# Altium PCB spin5v1_simple.PcbDoc (part 17 of 25) (continued)
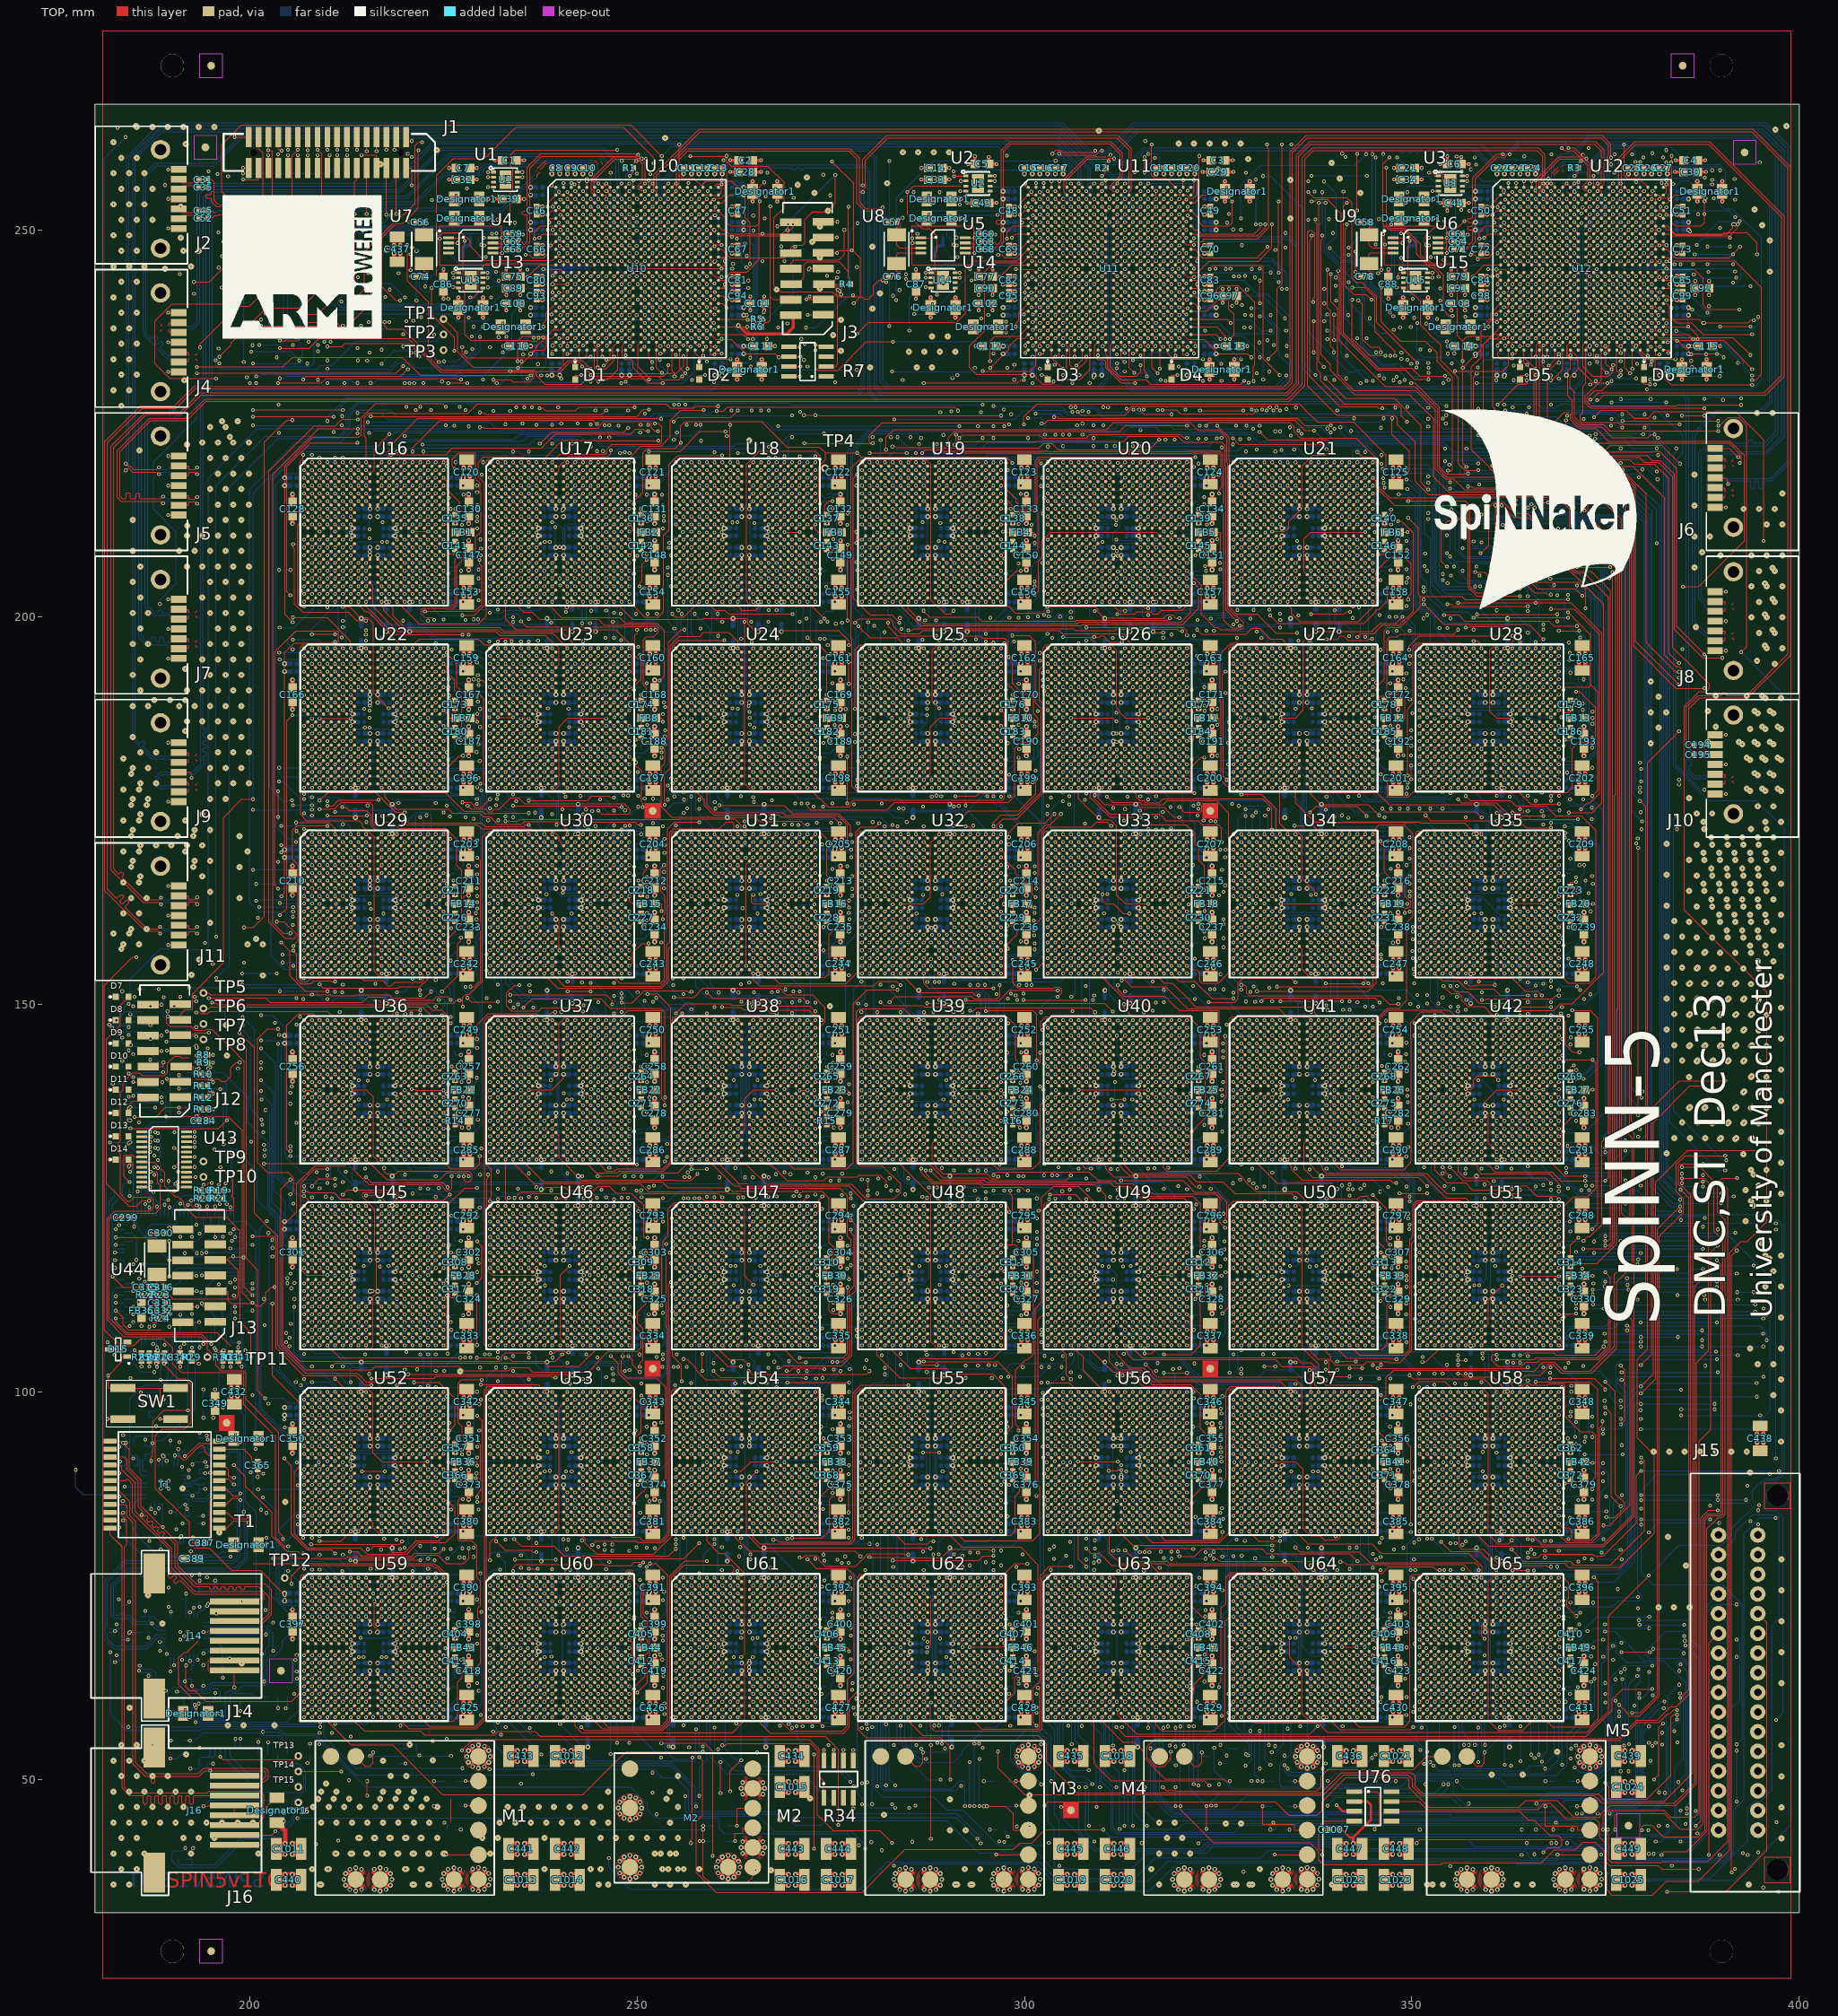
[diagram p0: TOP view]
## Nets (pads, with @x,y where several pads share a name; then routed paths per layer and width w, separated by ;. In a path a pad name is that pad's centre, name@x,y a point inside that pad or via, vN(x,y) a via of type N, cw(c..) or ccw(c..) an arc to the next point about the centre after c; other vN are vias at no path point) (continued)
S48_L1<1>: U11.R11 U28.V14
  other v1: 365,178 310,241
S48_L1<2>: U11.T10 U28.U14
  other v1: 365,179 309,240
S48_L1<3>: U11.T11 U28.T14 | length 78.6
  BOTTOM w0.127: v1(307.499,226.641) 307.803,226.945 308.984,226.945 310.152,225.777 341.682,225.777 342.012,226.107 350.66,226.107 v1(352.143,224.624) ; v1(308.931,230.962) 309.362,230.962 309.785,231.385 310.439,231.385 310.566,231.512 310.566,233.513 309.568,234.511 309.568,239.568 v1(310,240) ; v1(351,187.069) 350.569,186.638 350.569,183.812 350.95,183.431 363.2,183.431 363.518,183.113 363.518,179.873 363.822,179.569 364.178,179.569 364.609,180 v1(365,180)
  other v1: 351.553,203.288
S48_L1<4>: U11.U9 U28.R14 | length 36.7
  BOTTOM w0.127: v1(338.456,254.865) 338.456,251.1 338.025,250.669 338.025,239.527 339.867,237.685 339.912,237.685 341.627,235.97 v1(341.627,233.761) ; v1(356,186.931) 356.431,186.5 356.431,185.947 356.812,185.566 364.05,185.566 364.431,185.185 364.431,181.569 v1(365,181)
  other v1: 308,239
S48_L1<5>: U11.U10 U28.V15
  other v1: 366,178 309,239
S48_L1<6>: U11.V9 U28.U15
  other v1: 366,179 349.527,205.086 308,238
S48_L1<7>: U11.W9 U28.T15 | length 53.7
  BOTTOM w0.127: v1(311.951,232.761) 312.354,232.358 312.354,231.514 314.069,229.799 332.376,229.799 v1(333.807,231.23) ; v1(333.807,226.899) 334.46,226.246 341.282,226.246 341.397,226.361 352.087,226.361 354.078,224.37 v1(362.242,224.37)
  other v1: 366,180 361.636,208.471 308,237
S48_L1<8>: U11.W10 U28.R13 | length 51
  BOTTOM w0.127: v1(310.808,227.121) 311.266,227.579 353.784,227.579 354.069,227.294 v1(354.5,227.294) ; v1(364,181) 364.569,180.431 366.232,180.431 366.431,180.232 366.431,179.95 366.812,179.569 369.256,179.569 369.624,179.937 v1(370.055,179.937)
  other v1: 356.741,211.191 309,237
S48_L1<9>: U11.Y9 U28.V12
  other v1: 363,178 363.042,227.115 308,236 353.675,242.465
S48_L1<10>: U11.Y10 U28.U12 | length 46
  TOP w0.127: v1(357,198.68) 357.431,198.68 357.589,198.838 362.415,198.838 363.431,197.822 363.431,197.257 362.605,196.431 360.808,196.431 360.109,195.732 360.109,187.885 360.998,186.996 362.504,186.996 362.569,186.931 v1(363,186.931)
  BOTTOM w0.127: v1(348.327,215.867) 349.338,215.867 350.481,214.724 350.481,201.758 351.243,200.996 352.431,200.996 353.193,200.234 353.193,200.181 354.336,199.038 356.211,199.038 356.569,198.68 v1(357,198.68)
  other v1: 363,179 315,224.167 328.662,224.721 309,236
S48_L1<11>: U11.AA8 U28.T12
  other v1: 363,180 361.108,223.508 332.394,223.995 307.099,235.066
S48_L1<12>: U11.AA10 U28.R12 | length 12.5
  TOP w0.127: v1(317.833,226.767) 319.682,226.767 320.195,226.254 329.539,226.254 v1(329.97,226.685)
  other v1: 363,181 361.235,217.131 314.297,230.23
S48_L1<13>: U11.AB8 U28.V13
  other v1: 365,176.945 364,178 365,207.64 347.237,208.897 306.699,232.468
S48_L1<14>: U11.AB9 U28.U13 | length 55.5
  TOP w0.127: v1(358,199.942) v1(370.2,199.942)
  BOTTOM w0.127: v1(349.326,217.77) 349.782,217.77 351.243,216.309 351.243,205.21 351.994,204.459 351.994,202.774 353.01,201.758 353.066,201.758 353.701,201.123 353.701,201.116 354.098,200.719 357.223,200.719 v1(358,199.942) ; v1(364,179) 364.432,178.568 364.432,174.949 365.512,173.869 370.803,173.869 371.184,173.488 373.497,173.488 373.696,173.687 373.696,175.643 373.442,175.897 371.055,175.897 v1(370.455,176.497)
  other v1: 346.042,224.466 305,230.661
S48_L1<15>: U11.AB10 U28.T13
  other v1: 364,180 361.121,225.422 309.5,233.826 340.203,242.8 361.094,243 327.039,243.998
S48_L2<0>: U11.T8 U28.R16
  other v1: 367,181 361.918,206.524 366.351,206.524 360.935,230.602 307,240 308.931,244.931 326.002,244.964
S48_L2<1>: U11.U8 U28.N15
  other v1: 366,183 307,239 358.131,243.065 346.091,244.842
S48_L2<2>: U11.W8 U28.N16 | length 41.2
  BOTTOM w0.127: v1(333.001,223.995) 334.137,222.859 336.884,222.859 336.955,222.788 336.955,222.777 337.352,222.38 353.726,222.38 v1(354.336,221.77) ; v1(355.142,213.069) 355.651,212.56 355.651,208.794 356.858,207.587 363.603,207.587 364.087,208.071 366.947,208.071 367.633,207.385 368.132,207.385 368.331,207.584 368.331,207.745 368.402,207.816 v1(368.85,207.816)
  other v1: 367,183 307.499,224.993 307,237
S48_L2<3>: U11.Y3 U28.N17 | length 59.7
  BOTTOM w0.127: v1(301.433,226.286) 304.599,226.286 305.403,225.482 341.874,225.482 342.111,225.245 345.94,225.245 v1(346.371,225.676) ; v1(354.966,207.841) 355.598,207.209 366.997,207.209 367.075,207.131 368.722,207.131 v1(368.8,207.209)
  other v1: 368,183 302,236
S48_L2<4>: U11.Y5 U28.N18
  other v1: 369,183 371.374,210.256 354.537,210.591 348.668,233.361 332.202,235.161 304,236
S48_L2<5>: U11.Y6 U28.P16 | length 31
  BOTTOM w0.127: v1(306.607,227.122) 307.038,227.122 307.115,227.199 309.134,227.199 309.85,226.483 313.432,226.483 313.631,226.682 313.631,226.991 313.885,227.245 328.922,227.245 v1(329.363,226.804) ; v1(367,182) 367.432,181.568 367.432,180.95 367.813,180.569 v1(373.317,180.569)
  other v1: 352.143,213.469 352.142,227.046 305,236
S48_L2<6>: U11.Y7 U28.P17 | length 60.5
  BOTTOM w0.127: v1(354.336,220.134) 354.336,219.703 354.105,219.472 354.105,208.035 355.185,206.955 355.709,206.955 356.154,206.51 356.154,205.783 357.234,204.703 365.619,204.703 366.016,204.306 366.016,204.3 366.905,203.411 372.07,203.411 373.15,202.331 373.15,191.153 372.911,190.914 372.911,185.666 373.748,184.829 373.748,182.841 372.351,181.444 368.556,181.444 v1(368,182)
  other v1: 325.072,218.34 310.6,222.093 323.065,230.515 306,236
S48_L2<7>: U11.Y8 U28.P18 | length 34.7
  BOTTOM w0.127: v1(314.804,222.101) 323.826,222.101 v1(324.841,223.116) ; v1(346.284,219.178) 346.801,219.695 346.801,219.739 347.627,220.565 369.16,220.565 369.369,220.356 v1(369.8,220.356)
  other v1: 369,182 307,236
S48_L2<8>: U11.AA1 U28.V18 | length 50.3
  TOP w0.127: v1(347.485,225.676) 347.485,223.592 349.696,221.381 349.696,218.974 v1(349.316,218.594)
  BOTTOM w0.127: v1(349.316,218.594) 352.368,218.594 352.94,218.022 352.94,204.489 354.401,203.028 357.66,203.028 358.393,202.295 361.557,202.295 365.431,198.421 365.431,195.95 365.812,195.569 369.178,195.569 369.609,196 370.362,196 v1(371.754,197.392)
  other v1: 369,178 373.317,179.479 300.099,235.066
S48_L2<9>: U11.AA2 U28.R17
  other v1: 368,181 369.734,185.4 370.4,195.431 328.6,221.4 301.099,235.067
S48_L2<10>: U11.AA4 U28.R18 | length 106.6
  BOTTOM w0.127: v1(302.633,223.567) 303.064,223.567 303.494,223.137 307.739,223.137 308.184,223.582 308.184,223.621 308.383,223.82 312.806,223.82 313.024,223.602 329.186,223.602 330.183,222.605 336.304,222.605 336.701,222.208 336.701,222.197 336.772,222.126 344.288,222.126 345.685,220.729 345.685,219.144 346.082,218.747 346.61,218.747 347.055,219.192 347.055,219.421 347.373,219.739 352.015,219.739 353.603,218.151 353.603,204.599 354.238,203.964 v1(358.2,203.964) ; v1(367.9,204.997) 371.245,204.997 373.912,202.33 373.912,193.884 374.027,193.769 374.027,182.715 372.312,181 v1(369,181)
  other v1: 303,235
S48_L2<11>: U11.AA6 U28.T16
  other v1: 367,180 366,205.681 355.469,206.524 308,233.625 324.68,245
S48_L2<12>: U11.AB4 U28.T17 | length 4.9
  TOP w0.127: v1(370.942,209.217) v1(370.942,214.161)
  other v1: 368,180 330,221.666 305,232.069
S48_L2<13>: U11.AB5 U28.T18 | length 41
  BOTTOM w0.127: v1(312.067,219) 312.067,218.32 312.956,217.431 315.232,217.431 315.431,217.232 315.431,213.939 315.939,213.431 319.232,213.431 319.431,213.232 319.431,211.909 320.574,210.766 323.013,210.766 323.267,210.512 v1(323.267,209.242) ; v1(355.072,205.395) 356.018,204.449 364.301,204.449 365.508,203.242 365.508,203.157 366.431,202.234 366.431,197.113 366.812,196.732 v1(370.3,196.732)
  other v1: 369,180 306.8,224.797 305,233.625
S48_L2<14>: U11.AB6 U28.U17 | length 29.2
  TOP w0.127: v1(343,221.339) 343.653,220.686 344.923,220.686 345.431,220.178 345.431,219.628 345.685,219.374 345.685,216.897 347.146,215.436 353.469,215.436 353.589,215.556 366.034,215.556 366.783,214.807 v1(367.599,214.807)
  other v1: 368,179 342.563,225.676 305,231.268
S48_L2<15>: U11.AB7 U28.U18 | length 29.8
  TOP w0.127: v1(306.892,226.514) 307.323,226.083 312.996,226.083 313.631,226.718 313.631,226.991 313.885,227.245 331.154,227.245 331.28,227.119 v1(331.711,227.119)
  BOTTOM w0.127: v1(365,222.992) 365.431,222.992 365.615,222.808 367.887,222.808 368.284,223.205 368.284,223.238 368.384,223.338 v1(368.823,223.338)
  other v1: 369,179 372.099,188.043 306.5,233.625
SCL2: R7.2 R18.2 R34.2 U69.49 | length 46.7
  TOP w0.127: v1(256.865,259.523) 261.248,259.523 261.566,259.205 261.566,258.813 262.138,258.241 266.87,258.241 268.966,256.145 268.966,252.849 267.666,251.549 267.666,242.811 268.467,242.01 275.212,242.01 275.889,241.333 275.889,232.668 275.591,232.37 R7.2@274.4,232.37
  other v1: 191.6,117.902 197,124.247 193.129,125.092
SDA2: R7.1 R20.2 R34.1 U69.48 | length 220.1
  TOP w0.127: v1(199.223,159.951) 200.429,159.951 201.89,161.412 201.89,222.597 204.748,225.455 v1(205.471,225.455) ; v1(221,221.4) 221,221.875 224.556,225.431 244.319,225.431 v1(244.8,224.95) ; v1(227.368,53.72) 228.786,55.138 272.257,55.138 273.527,53.868 273.527,50.348 274.1,49.775 R34.1@274.1,47.6
  BOTTOM w0.127: 192.893,124.273 193.298,124.678 197.408,124.678 197.662,124.932 ; v1(197.635,130.886) 197.635,130.455 197.662,130.428 197.662,126.179 197.663,126.178 197.663,125.822 197.662,125.821 197.662,124.932 ; v1(200.748,92.63) 200.748,120.679 199.414,122.013 197.931,122.013 197.931,124.663 197.662,124.932 ; v1(244.8,224.95) 245.305,225.455 252.161,225.455 252.76,226.054 v1(270,226.054)
  other v1: 193.129,124.092
SENSE12A: M1.6 R14.2 R192.1
  other v1: 225.333,40.261 223.761,49.75 227.408,134.129
  other v3: 225.019,40.401 225.175,40.401
SENSE12B: M3.6 R15.2 R191.1
  other v1: 296.333,40.261 294.761,49.75 275.408,134.129
SENSE12C: M5.6 R17.2 R189.1 | length 280.6
  BOTTOM w0.127: v1(301.581,61) 302.012,60.569 302.012,56.015 303.034,54.993 303.034,44.481 303.843,43.672 303.843,38.849 304.288,38.404 313.82,38.404 315.924,40.508 323.527,40.508 324.373,41.354 339.352,41.354 341.001,39.705 363.902,39.705 364.072,39.535 368.891,39.535 369.061,39.705 375.388,39.705 375.811,39.282 390.239,39.282 391.573,40.616 391.573,46.026 392.919,47.372 392.919,81.696 394.951,83.728 v1(396.997,83.728) ; v1(304.76,46.398) 304.76,45.114 309.078,40.796 323.101,40.796 323.922,41.617 339.819,41.617 340.64,40.796 364.671,40.796 364.995,40.472 364.995,40.148 365.354,39.789 368.759,39.789 369.766,40.796 375.213,40.796 376.473,39.536 390.112,39.536 391.319,40.743 391.319,59.163 392.411,60.255 392.411,67.589 v1(391.98,68.02)
  other v1: 368.833,40.261 367.261,49.75 347.408,134.129
  other v3: 317.4,40.401 319.4,40.401 321.4,40.401
SENSE18: M4.6 R16.2 R190.1
  other v1: 332.333,40.261 330.761,49.75 299.408,134.129
SENSE33: M2.5 R29.2 R197.1 | length 53
  BOTTOM w0.127: v1(206.146,44.979) 243.487,44.979 244.966,43.5 v1(258.5,43.5)
  other v1: 258.511,44 193.408,103.629
  other v3: 265.288,38.27 244.267,44.401
SENSE_MINUS12A: M1.7 R196.1 R201.1 | length 2.9
  TOP w0.127: 225.989,44.548 225.989,47.417
  other v1: 225.129,44.408 223.761,46.5
  other v3: 230.019,42.401 224.175,46.401
SENSE_MINUS12B: M3.7 R195.1 R200.1 | length 8.8
  TOP w0.127: v1(295.158,46.5) 297.577,46.5 298.584,45.493 298.584,43.43 M3.7@300.515,43.43
  BOTTOM w0.127: v1(295.158,46.5) R195.1@296.1,46.5
  other v1: 297.871,42.592 294.761,46.5
  other v3: 300.666,43.917
SENSE_MINUS12C: M5.7 R193.1 R198.1 | length 11.3
  TOP w0.127: v1(367.254,46.5) 367.254,43.931 368.268,43.931 ; v1(368.268,43.5) 368.268,43.931 ; M5.7@373.015,43.43 371.417,43.43 371.417,43.931 368.268,43.931
  BOTTOM w0.127: v1(367.254,46.5) R193.1@368.6,46.5 ; v1(368.268,43.5) 368.97,43.5
  other v1: 368.629,44.408 367.261,46.5
SENSE_MINUS18: M4.7 R194.1 R199.1 | length 11.5
  TOP w0.127: v1(330.763,46.5) 330.763,44.185 331.768,44.185 ; v1(331.768,43.5) 331.768,44.185 ; M4.7@336.515,43.43 334.917,43.43 334.917,44.185 331.768,44.185
  BOTTOM w0.127: v1(330.763,46.5) R194.1@332.1,46.5 ; v1(331.768,43.5) 332.47,43.5
  other v1: 332.129,44.408 330.761,46.5
SO_AMINUS: C127.1 J5.3 | length 8.3
  TOP w0.062: J5.3@190.81,215.73 191.963,215.73 192.088,215.605 192.088,215.382 192.146,215.324 ; 192.975,215.324 v1(193.18,215.529)
  TOP w0.125: J5.3@190.81,215.73 191.963,215.73 192.088,215.605 192.088,215.382 192.213,215.257 192.908,215.257 v1(193.18,215.529)
  BOTTOM w0.062: 191.34,215.73 191.838,215.73 191.963,215.605 191.963,215.382 192.021,215.324 ; 192.975,215.324 v1(193.18,215.529)
  BOTTOM w0.125: 191.34,215.73 191.838,215.73 191.963,215.605 191.963,215.382 192.088,215.257 192.908,215.257 v1(193.18,215.529)
SO_AMINUS_1: C45.1 J2.3 | length 3
  TOP w0.125: J2.3@190.81,252.73 191.281,252.259 192.731,252.259 192.972,252.5 C45.1@193.47,252.5
  other v3: 191.065,252.986
SO_AMINUS_2: C494.1 J6.3 | length 1.6
  TOP w0.062: J6.3@389.19,219.27 390.343,219.27 390.468,219.395 390.468,219.617 390.526,219.675
SR_MISO: R203.1 U69.61
  other v1: 192.658,41.121 189.598,114.892
SR_MOSI: U69.60 U75.6 U77.5 | length 36.3
  BOTTOM w0.127: v1(185.682,64.023) 185.912,63.793 187.059,63.793 187.312,63.54 187.312,60.409 189.677,58.044 193.285,58.044 193.707,57.622 197.11,57.622 197.47,57.982 U75.6@197.47,59.95 197.47,60.891 197.662,61.083 200.176,61.083 200.599,60.66 U77.5@201.09,60.66 ; v1(186.105,116.5) U69.60@199.2,116.5
SR_NCS: U69.63 U75.4 U77.1 | length 25.7
  BOTTOM w0.127: v1(189.748,52.67) 190.606,52.67 193.955,56.019 201.17,56.019 201.509,55.68 203.751,55.68 204.9,54.531 U77.1@204.9,53.34 ; v1(190.581,61.317) 191.22,61.317 191.425,61.112 194.66,61.112 195.203,61.655 195.8,61.655 196.17,61.285 U75.4@196.17,59.95
  other v1: 193.724,112.831
SR_SCK: U69.62 U75.5 U77.6 | length 40.5
  BOTTOM w0.127: v1(185.717,114.637) 185.717,114.203 186.114,113.806 190.452,113.806 192.146,115.5 U69.62@199.2,115.5 ; v1(185.763,64.667) 186.197,64.233 ; 186.197,64.232 187.269,64.232 187.852,63.649 187.852,60.493 189.414,58.931 192.758,58.931 193.813,57.876 196.489,57.876 196.82,58.207 U75.5@196.82,59.95 196.82,61.02 197.2,61.4 198.447,61.4 199.109,62.062 201.258,62.062 201.581,61.739 201.581,60.948 201.869,60.66 U77.6@202.36,60.66
SROM<2>: U63.L16
  other v1: 319,65
SROM<2>_48: U62.L16
  other v1: 295,65
SROM<2>_49: U61.L16
  other v1: 271,65
SROM<2>_50: U60.L16
  other v1: 247,65
SROM<2>_51: U28.L16
  other v1: 367,185
SROM<2>_52: U21.L16
  other v1: 343,209
SROM<2>_53: U19.L16
  other v1: 295,209
SROM<2>_54: U18.L16
  other v1: 271,209
SROM<2>_55: U17.L16
  other v1: 247,209
SROM<2>_56: U25.L16
  other v1: 295,185
SROM<2>_57: U20.L16
  other v1: 319,209
SROM<2>_58: U27.L16
  other v1: 343,185
SROM<2>_59: U35.L16
  other v1: 367,161
SROM<2>_60: U42.L16
  other v1: 367,137
SROM<2>_61: U34.L16
  other v1: 343,161
SROM<2>_62: U26.L16
  other v1: 319,185
SROM<2>_63: U24.L16
  other v1: 271,185
SROM<2>_64: U23.L16
  other v1: 247,185
SROM<2>_65: U16.L16
  other v1: 223,209
SROM<2>_66: U51.L16
  other v1: 367,113
SROM<2>_67: U41.L16
  other v1: 343,137
SROM<2>_68: U33.L16
  other v1: 319,161
SROM<2>_69: U32.L16
  other v1: 295,161
SROM<2>_70: U31.L16
  other v1: 271,161
SROM<2>_71: U30.L16
  other v1: 247,161
SROM<2>_72: U22.L16
  other v1: 223,185
SROM<2>_73: U58.L16
  other v1: 367,89
SROM<2>_74: U50.L16
  other v1: 343,113
SROM<2>_75: U40.L16
  other v1: 319,137
SROM<2>_76: U39.L16
  other v1: 295,137
SROM<2>_77: U38.L16
  other v1: 271,137
SROM<2>_78: U37.L16
  other v1: 247,137
SROM<2>_79: U36.L16
  other v1: 223,137
SROM<2>_80: U29.L16
  other v1: 223,161
SROM<2>_81: U65.L16
  other v1: 367,65
SROM<2>_82: U57.L16
  other v1: 343,89
SROM<2>_83: U49.L16
  other v1: 319,113
SROM<2>_84: U48.L16
  other v1: 295,113
SROM<2>_85: U47.L16
  other v1: 271,113
SROM<2>_86: U46.L16
  other v1: 247,113
SROM<2>_87: U45.L16
  other v1: 223,113
SROM<2>_88: U64.L16
  other v1: 343,65
SROM<2>_89: U56.L16
  other v1: 319,89
SROM<2>_90: U55.L16
  other v1: 295,89
SROM<2>_91: U54.L16
  other v1: 271,89
SROM<2>_92: U53.L16
  other v1: 247,89
SROM<2>_93: U52.L16
  other v1: 223,89
SROM<2>_94: R204.1 TP16.1 U59.L16 | length 23.2
  BOTTOM w0.127: 190.75,40.78 190.199,40.78 189.945,40.526 189.945,39.512 190.828,38.629 195.696,38.629 199.377,42.31 203.566,42.31 205.715,44.459 205.715,46.465 TP16.1@206.25,47
  other v1: 191.658,41.121 223,65
SROM<3>: U63.L15
  other v1: 318,65
SROM<3>_48: U62.L15
  other v1: 294,65
SROM<3>_49: U61.L15
  other v1: 270,65
SROM<3>_50: U60.L15
  other v1: 246,65
SROM<3>_51: U28.L15
  other v1: 366,185
SROM<3>_52: U21.L15
  other v1: 342,209
SROM<3>_53: U19.L15
  other v1: 294,209
SROM<3>_54: U18.L15
  other v1: 270,209
SROM<3>_55: U17.L15
  other v1: 246,209
SROM<3>_56: U25.L15
  other v1: 294,185
SROM<3>_57: U20.L15
  other v1: 318,209
SROM<3>_58: U27.L15
  other v1: 342,185
SROM<3>_59: U35.L15
  other v1: 366,161
SROM<3>_60: U42.L15
  other v1: 366,137
SROM<3>_61: U34.L15
  other v1: 342,161
SROM<3>_62: U26.L15
  other v1: 318,185
SROM<3>_63: U24.L15
  other v1: 270,185
SROM<3>_64: U23.L15
  other v1: 246,185
SROM<3>_65: U16.L15
  other v1: 222,209
SROM<3>_66: U51.L15
  other v1: 366,113
SROM<3>_67: U41.L15
  other v1: 342,137
SROM<3>_68: U33.L15
  other v1: 318,161
SROM<3>_69: U32.L15
  other v1: 294,161
SROM<3>_70: U31.L15
  other v1: 270,161
SROM<3>_71: U30.L15
  other v1: 246,161
SROM<3>_72: U22.L15
  other v1: 222,185
SROM<3>_73: U58.L15
  other v1: 366,89
SROM<3>_74: U50.L15
  other v1: 342,113
SROM<3>_75: U40.L15
  other v1: 318,137
SROM<3>_76: U39.L15
  other v1: 294,137
SROM<3>_77: U38.L15
  other v1: 270,137
SROM<3>_78: U37.L15
  other v1: 246,137
SROM<3>_79: U36.L15
  other v1: 222,137
SROM<3>_80: U29.L15
  other v1: 222,161
SROM<3>_81: U65.L15
  other v1: 366,65
SROM<3>_82: U57.L15
  other v1: 342,89
SROM<3>_83: U49.L15
  other v1: 318,113
SROM<3>_84: U48.L15
  other v1: 294,113
SROM<3>_85: U47.L15
  other v1: 270,113
SROM<3>_86: U46.L15
  other v1: 246,113
SROM<3>_87: U45.L15
  other v1: 222,113
SROM<3>_88: U64.L15
  other v1: 342,65
SROM<3>_89: U56.L15
  other v1: 318,89
SROM<3>_90: U55.L15
  other v1: 294,89
SROM<3>_91: U54.L15
  other v1: 270,89
SROM<3>_92: U53.L15
  other v1: 246,89
SROM<3>_93: U52.L15
  other v1: 222,89
SROM<3>_94: TP15.1 U59.L15 U75.11 | length 11.5
  BOTTOM w0.127: U75.11@197.47,54.05 197.47,52.968 200.049,50.389 204.861,50.389 TP15.1@206.25,49
  other v1: 222,65
SROM<4>: U63.K18
  other v1: 321,66
SROM<4>_48: U62.K18
  other v1: 297,66
SROM<4>_49: U61.K18
  other v1: 273,66
SROM<4>_50: U60.K18
  other v1: 249,66
SROM<4>_51: U28.K18
  other v1: 369,186
SROM<4>_52: U21.K18
  other v1: 345,210
SROM<4>_53: U19.K18
  other v1: 297,210
SROM<4>_54: U18.K18
  other v1: 273,210
SROM<4>_55: U17.K18
  other v1: 249,210
SROM<4>_56: U25.K18
  other v1: 297,186
SROM<4>_57: U20.K18
  other v1: 321,210
SROM<4>_58: U27.K18
  other v1: 345,186
SROM<4>_59: U35.K18
  other v1: 369,162
SROM<4>_60: U42.K18
  other v1: 369,138
SROM<4>_61: U34.K18
  other v1: 345,162
SROM<4>_62: U26.K18
  other v1: 321,186
SROM<4>_63: U24.K18
  other v1: 273,186
SROM<4>_64: U23.K18
  other v1: 249,186
SROM<4>_65: U16.K18
  other v1: 225,210
SROM<4>_66: U51.K18
  other v1: 369,114
SROM<4>_67: U41.K18
  other v1: 345,138
SROM<4>_68: U33.K18
  other v1: 321,162
SROM<4>_69: U32.K18
  other v1: 297,162
SROM<4>_70: U31.K18
  other v1: 273,162
SROM<4>_71: U30.K18
  other v1: 249,162
SROM<4>_72: U22.K18
  other v1: 225,186
SROM<4>_73: U58.K18
  other v1: 369,90
SROM<4>_74: U50.K18
  other v1: 345,114
SROM<4>_75: U40.K18
  other v1: 321,138
SROM<4>_76: U39.K18
  other v1: 297,138
SROM<4>_77: U38.K18
  other v1: 273,138
SROM<4>_78: U37.K18
  other v1: 249,138
SROM<4>_79: U36.K18
  other v1: 225,138
SROM<4>_80: U29.K18
  other v1: 225,162
SROM<4>_81: U65.K18
  other v1: 369,66
SROM<4>_82: U57.K18
  other v1: 345,90
SROM<4>_83: U49.K18
  other v1: 321,114
SROM<4>_84: U48.K18
  other v1: 297,114
SROM<4>_85: U47.K18
  other v1: 273,114
SROM<4>_86: U46.K18
  other v1: 249,114
SROM<4>_87: U45.K18
  other v1: 225,114
SROM<4>_88: U64.K18
  other v1: 345,66
SROM<4>_89: U56.K18
  other v1: 321,90
SROM<4>_90: U55.K18
  other v1: 297,90
SROM<4>_91: U54.K18
  other v1: 273,90
SROM<4>_92: U53.K18
  other v1: 249,90
SROM<4>_93: U52.K18
  other v1: 225,90
SROM<4>_94: TP14.1 U59.K18 U75.12 | length 21.6
  TOP w0.127: TP14.1@206.25,51 v1(211.8,51)
  BOTTOM w0.127: U75.12@196.82,54.05 196.82,52.654 201.165,48.309 206.536,48.309 206.941,48.714 206.941,50.309 TP14.1@206.25,51
  other v1: 225,66
SROM<5>: U63.K17
  other v1: 320,66
SROM<5>_48: U62.K17
  other v1: 296,66
SROM<5>_49: U61.K17
  other v1: 272,66
SROM<5>_50: U60.K17
  other v1: 248,66
SROM<5>_51: U28.K17
  other v1: 368,186
SROM<5>_52: U21.K17
  other v1: 344,210
SROM<5>_53: U19.K17
  other v1: 296,210
SROM<5>_54: U18.K17
  other v1: 272,210
SROM<5>_55: U17.K17
  other v1: 248,210
SROM<5>_56: U25.K17
  other v1: 296,186
SROM<5>_57: U20.K17
  other v1: 320,210
SROM<5>_58: U27.K17
  other v1: 344,186
SROM<5>_59: U35.K17
  other v1: 368,162
SROM<5>_60: U42.K17
  other v1: 368,138
SROM<5>_61: U34.K17
  other v1: 344,162
SROM<5>_62: U26.K17
  other v1: 320,186
SROM<5>_63: U24.K17
  other v1: 272,186
SROM<5>_64: U23.K17
  other v1: 248,186
SROM<5>_65: U16.K17
  other v1: 224,210
SROM<5>_66: U51.K17
  other v1: 368,114
SROM<5>_67: U41.K17
  other v1: 344,138
SROM<5>_68: U33.K17
  other v1: 320,162
SROM<5>_69: U32.K17
  other v1: 296,162
SROM<5>_70: U31.K17
  other v1: 272,162
SROM<5>_71: U30.K17
  other v1: 248,162
SROM<5>_72: U22.K17
  other v1: 224,186
SROM<5>_73: U58.K17
  other v1: 368,90
SROM<5>_74: U50.K17
  other v1: 344,114
SROM<5>_75: U40.K17
  other v1: 320,138
SROM<5>_76: U39.K17
  other v1: 296,138
SROM<5>_77: U38.K17
  other v1: 272,138
SROM<5>_78: U37.K17
  other v1: 248,138
SROM<5>_79: U36.K17
  other v1: 224,138
SROM<5>_80: U29.K17
  other v1: 224,162
SROM<5>_81: U65.K17
  other v1: 368,66
SROM<5>_82: U57.K17
  other v1: 344,90
SROM<5>_83: U49.K17
  other v1: 320,114
SROM<5>_84: U48.K17
  other v1: 296,114
SROM<5>_85: U47.K17
  other v1: 272,114
SROM<5>_86: U46.K17
  other v1: 248,114
SROM<5>_87: U45.K17
  other v1: 224,114
SROM<5>_88: U64.K17
  other v1: 344,66
SROM<5>_89: U56.K17
  other v1: 320,90
SROM<5>_90: U55.K17
  other v1: 296,90
SROM<5>_91: U54.K17
  other v1: 272,90
SROM<5>_92: U53.K17
  other v1: 248,90
SROM<5>_93: U52.K17
  other v1: 224,90
SROM<5>_94: TP13.1 U59.K17 U75.13 | length 11.6
  TOP w0.127: v1(196.168,52.913) 196.57,52.511 205.761,52.511 TP13.1@206.25,53
  BOTTOM w0.127: v1(196.168,52.913) 196.17,52.915 U75.13@196.17,54.05
  other v1: 224,66
TCK: J13.9 R23.1 U69.5 | length 16.7
  TOP w0.127: R23.1@189.03,112.5 189.566,112.5 190.066,112 198.117,112 198.514,112.397 198.514,115.643 197.117,117.04 J13.9@195.52,117.04
  other v1: 184.917,111
TCK_2: J3.6 R4.1 U10.A21 U11.A21 U12.A21 | length 21.1
  TOP w0.127: J3.6@269.875,243 270.75,243 271.53,243.78 271.53,245.469 271.946,245.885 276.04,245.885 277.283,244.642 ; v1(277.283,252.992) 277.283,244.642 ; R4.1@277.53,243 277.53,243.583 277.283,243.83 277.283,244.642 ; U11.A21@320.5,255.5 v1(320.5,256.434)
TCK_3: J12.9 U16.C18 U17.C18 U18.C18 U19.C18 U20.C18 U21.C18 U22.C18 U23.C18 U24.C18 U25.C18 U26.C18 U27.C18 U28.C18 U29.C18 U30.C18 U31.C18 U32.C18 U33.C18 U34.C18 U35.C18 U36.C18 U37.C18 U38.C18 U39.C18 U40.C18 U41.C18 U42.C18 U45.C18 U46.C18 U47.C18 U48.C18 U49.C18 U50.C18 U51.C18 U52.C18 U53.C18 U54.C18 U55.C18 U56.C18 U57.C18 U58.C18 U59.C18 U60.C18 U61.C18 U62.C18 U63.C18 U64.C18 U65.C18 | length 311.9
  TOP w0.127: v1(194.691,150.848) 202.055,150.848 202.636,150.267 214.51,150.267 215.232,150.989 217.189,150.989 217.597,150.581 223.69,150.581 224.126,151.017 225.487,151.017 v1(225.918,150.586) ; v1(225,194) 225.431,193.569 225.431,192.858 225.828,192.461 225.876,192.461 226.448,191.889 226.448,190.61 227.242,189.816 227.266,189.816 227.366,189.716 227.366,185.916 227.323,185.873 v1(227.323,185.442) ; v1(225,218) 225.431,217.569 225.431,216.482 225.828,216.085 225.854,216.085 227.061,214.878 227.061,212.676 227.389,212.348 v1(227.389,211.917) ; v1(271.533,226.093) v1(273.029,226.093) 273.46,226.093 273.523,226.03 v1(297,226.03) ; v1(277.167,199.558) v1(277.167,209.37) ; v1(279.8,125.974) v1(279.8,127.351) ; v1(297,170) 297.431,169.569 297.431,168.739 297.939,168.231 297.959,168.231 298.848,167.342 298.848,166.882 299.864,165.866 300.891,165.866 300.991,165.766 300.991,164.319 v1(301.442,163.868) ; v1(297,218) 297.431,217.569 297.431,216.738 298.915,215.254 298.915,214.833 299.614,214.134 300.887,214.134 301.395,214.642 301.395,220.177 301.903,220.685 v1(322.055,220.685) ; v1(334.866,173.093) 337.299,173.093 337.795,172.597 345.177,172.597 ; v1(336.8,197) 337.369,196.431 345.232,196.431 345.431,196.232 345.431,194.431 v1(345,194) ; v1(345,146) 345.431,146.431 345.431,148.085 346.892,149.546 348.379,149.546 349.395,150.562 349.395,160.581 350.186,161.372 350.186,172.073 349.043,173.216 345.796,173.216 345.177,172.597 ; v1(345,170) 345.431,170.431 345.431,172.343 345.177,172.597 ; v1(345,218) 345.431,217.569 345.431,216.786 347.781,214.436 357.077,214.436 357.276,214.237 357.276,203.869 358.419,202.726 v1(364,202.726)
  BOTTOM w0.127: v1(225,146) 225.487,146.487 225.487,150.155 v1(225.918,150.586) 225.918,151.93 224.569,153.279 224.569,170 ; v1(225,170) 224.569,170 ; v1(228.865,173.978) 228.08,173.193 225.522,173.193 224.569,172.24 224.569,170 ; v1(249,194) 249,194.391 249.431,194.822 249.431,205.924 250.003,206.496 250.969,206.496 251.668,207.195 251.668,210.131 250.779,211.02 249.925,211.02 249.445,211.5 248.887,211.5 248.569,211.818 248.569,217.569 v1(249,218) ; v1(273,218) 273.432,217.568 273.432,216.131 274.067,215.496 275.344,215.496 275.741,215.099 275.741,209.688 276.059,209.37 v1(277.167,209.37) ; v1(297,146) 297.431,146.431 297.431,151.208 298.765,152.542 v1(299.331,152.542) ; v1(321,218) 321,218.391 321.431,218.822 321.431,220.061 v1(322.055,220.685) ; v1(335,188.172) 336.085,189.257 336.085,196.285 v1(336.8,197)
  other v1: 225,74 249,74 273,74 297,74 321,74 345,74 369,74 249,76.607 225.926,79.707 373.315,87.42 372.437,94.193 225,98 249,98 273,98 297,98 321,98 345,98 369,98 277.377,100 279.6,104.082 373.072,106.892 347.423,116 254.569,118.57 225,122 249,122 273,122 297,122 321,122 345,122 369,122 249,146 273,146 321,146 369,146 194.691,146.367 323.252,161.015 249,170 273,170 321,170 369,170 273,194 297,194 321,194 369,194 364,196.807 249,208 249,212
TDI: J13.5 R31.2 U69.2 | length 16.6
  TOP w0.127: v1(182.683,109.5) 182.683,109.062 184.08,107.665 195.763,107.665 197.5,105.928
  other v1: 196.592,105.371 203.181,113.52 199.191,117.367
TDI_2: J3.10 R5.2 U12.E18 | length 36.5
  TOP w0.127: J3.10@269.84,247 269.84,247.691 270.203,248.054 271.366,248.054 271.627,248.315 271.627,251.325 272.632,252.33 274.479,252.33 275.585,253.436 v1(275.585,257.1)
  BOTTOM w0.127: 266.75,238.5 270.148,241.898 270.148,251.663 v1(275.585,257.1)
  other v1: 379,252 341.026,259.845
TDI_3: J12.5 U59.C16 | length 39.9
  BOTTOM w0.127: v1(201.062,87.431) 211.182,87.431 211.5,87.113 211.5,84.876 211.945,84.431 224.188,84.431 224.569,84.05 224.569,81.822 224.57,81.821 224.57,78.797 225.523,77.844 226.914,77.844 229.327,75.431 v1(229.327,73.2)
  other v1: 223,74 198.681,142.52
TDO: J13.11 U69.1
  other v1: 184.917,109
TDO_1: J3.8 U11.G17 | length 11.2
  TOP w0.127: J3.8@269.84,245 269.84,245.691 270.288,246.139 276.038,246.139 276.744,246.845 v1(276.744,250)
  other v1: 317,250
TDO_48: J12.11 U18.B18 | length 146
  TOP w0.127: J12.11@191.02,148.04 191.02,148.731 191.638,149.349 192.474,149.349 192.591,149.466 192.591,151.403 196.599,155.411 196.599,174.166 198.941,176.508 v1(200.404,176.508)
  BOTTOM w0.127: v1(200.404,176.508) 200.404,215.989 206.5,222.085 216.685,222.085 217.569,222.969 234.137,222.969 234.761,223.593 243.929,223.593 245.44,222.082 262.566,222.082 262.922,222.438 267.227,222.438 267.862,221.803 v1(267.862,220.607)
  other v1: 273,219
TMS: J13.7 R30.2 U69.3
  other v1: 195.592,105.371 195.43,105.678 184.917,110 193.778,115.04
TMS_2: J3.4 R6.2 U10.D20 U11.D20 U12.D20 | length 19
  TOP w0.127: R6.2@266.03,237.5 266.03,237.525 266.574,238.069 266.928,238.069 267.2,238.341 267.2,241.382 ; v1(267.2,253.035) 267.2,241.382 ; J3.4@269.84,241 267.582,241 267.2,241.382
  other v1: 266.371,238.408 281.681,243.52 277.691,247.367 326.399,252.065 259,253 320,253 381,253 291.642,253.265

## Text inside footprints (layer, text, board x,y; h text height)
M2: PIN_NUMBER "7" at 263.152,43.73 h0.64; PIN_NUMBER "8" at 263.152,46.27 h0.64; PIN_NUMBER "5" at 263.152,38.65 h0.64; PIN_NUMBER "10" at 262.644,51.35 h0.64; PIN_NUMBER "1" at 247.282,51.35 h0.64; PIN_NUMBER "2" at 247.282,46.28 h0.64; PIN_NUMBER "9" at 263.152,48.81 h0.64; PIN_NUMBER "4" at 259.982,38.65 h0.64; PIN_NUMBER "3" at 247.282,38.65 h0.64; PIN_NUMBER "6" at 263.152,41.19 h0.64
M3: PIN_NUMBER "7" at 298.737,43.43 h0.64; PIN_NUMBER "8" at 298.737,46.6 h0.64; PIN_NUMBER "9" at 298.737,49.77 h0.64; PIN_NUMBER "6" at 298.737,40.26 h0.64; PIN_NUMBER "1" at 279.687,52.94 h0.64; PIN_NUMBER "2" at 282.877,37.06 h0.64; PIN_NUMBER "10" at 298.229,52.94 h0.64; PIN_NUMBER "5" at 298.737,37.09 h0.64; PIN_NUMBER "11" at 285.839,52.938 h0.64; PIN_NUMBER "3" at 286.047,37.06 h0.64; PIN_NUMBER "4" at 295.567,37.06 h0.64
M4: PIN_NUMBER "6" at 334.737,40.26 h0.64; PIN_NUMBER "8" at 334.737,46.6 h0.64; PIN_NUMBER "9" at 334.737,49.77 h0.64; PIN_NUMBER "7" at 334.737,43.43 h0.64; PIN_NUMBER "1" at 315.687,52.94 h0.64; PIN_NUMBER "2" at 318.877,37.06 h0.64; PIN_NUMBER "10" at 334.229,52.94 h0.64; PIN_NUMBER "5" at 334.737,37.09 h0.64; PIN_NUMBER "11" at 321.839,52.938 h0.64; PIN_NUMBER "3" at 322.047,37.06 h0.64; PIN_NUMBER "4" at 331.567,37.06 h0.64
M5: PIN_NUMBER "6" at 371.237,40.26 h0.64; PIN_NUMBER "8" at 371.237,46.6 h0.64; PIN_NUMBER "9" at 371.237,49.77 h0.64; PIN_NUMBER "7" at 371.237,43.43 h0.64; PIN_NUMBER "1" at 352.187,52.94 h0.64; PIN_NUMBER "2" at 355.377,37.06 h0.64; PIN_NUMBER "10" at 370.729,52.94 h0.64; PIN_NUMBER "5" at 371.237,37.09 h0.64; PIN_NUMBER "11" at 358.339,52.938 h0.64; PIN_NUMBER "3" at 358.547,37.06 h0.64; PIN_NUMBER "4" at 368.067,37.06 h0.64
R1: PIN_NUMBER "2" at 248.89,257.53 h0.8 r90; PIN_NUMBER "1" at 247.83,257.57 h0.8 r90
R2: PIN_NUMBER "2" at 309.89,257.53 h0.8 r90; PIN_NUMBER "1" at 308.83,257.57 h0.8 r90
R3: PIN_NUMBER "1" at 369.83,257.57 h0.8 r90; PIN_NUMBER "2" at 370.89,257.53 h0.8 r90
R4: PIN_NUMBER "1" at 276.89,243.43 h0.8 r270; PIN_NUMBER "2" at 275.83,243.47 h0.8 r270
R5: PIN_NUMBER "1" at 264.33,238.07 h0.8 r90; PIN_NUMBER "2" at 265.39,238.03 h0.8 r90
R6: PIN_NUMBER "1" at 264.33,237.07 h0.8 r90; PIN_NUMBER "2" at 265.39,237.03 h0.8 r90
R7: PIN_NUMBER "1" at 275.06,231.1 h0.8 r270; PIN_NUMBER "2" at 274.96,232.4 h0.8 r270; PIN_NUMBER "3" at 274.96,233.6 h0.8 r270; PIN_NUMBER "8" at 267.46,231.1 h0.8 r270; PIN_NUMBER "5" at 267.56,234.9 h0.8 r270; PIN_NUMBER "7" at 267.86,232.3 h0.8 r90; PIN_NUMBER "6" at 267.56,233.6 h0.8 r270; PIN_NUMBER "4" at 274.96,234.9 h0.8 r270
R8: PIN_NUMBER "1" at 193.89,143.93 h0.8 r270; PIN_NUMBER "2" at 192.83,143.97 h0.8 r270
R9: PIN_NUMBER "1" at 193.89,142.93 h0.8 r270; PIN_NUMBER "2" at 192.83,142.97 h0.8 r270
R10: PIN_NUMBER "1" at 192.83,140.57 h0.8 r90; PIN_NUMBER "2" at 193.89,140.53 h0.8 r90
R11: PIN_NUMBER "1" at 192.83,139.07 h0.8 r90; PIN_NUMBER "2" at 193.89,139.03 h0.8 r90
R12: PIN_NUMBER "1" at 192.83,137.57 h0.8 r90; PIN_NUMBER "2" at 193.89,137.53 h0.8 r90
R13: PIN_NUMBER "1" at 193.89,136.93 h0.8 r270; PIN_NUMBER "2" at 192.83,136.97 h0.8 r270
R14: PIN_NUMBER "2" at 225.39,134.47 h0.8; PIN_NUMBER "1" at 225.43,135.53 h0.8
R15: PIN_NUMBER "2" at 273.39,134.47 h0.8; PIN_NUMBER "1" at 273.43,135.53 h0.8
R16: PIN_NUMBER "2" at 297.39,134.47 h0.8; PIN_NUMBER "1" at 297.43,135.53 h0.8
R17: PIN_NUMBER "2" at 345.39,134.47 h0.8; PIN_NUMBER "1" at 345.43,135.53 h0.8
R18: PIN_NUMBER "2" at 192.83,126.47 h0.8 r270; PIN_NUMBER "1" at 193.89,126.43 h0.8 r270
R19: PIN_NUMBER "2" at 195.89,125.53 h0.8 r90; PIN_NUMBER "1" at 194.83,125.57 h0.8 r90
R20: PIN_NUMBER "2" at 192.83,125.47 h0.8 r270; PIN_NUMBER "1" at 193.89,125.43 h0.8 r270
R21: PIN_NUMBER "2" at 195.89,124.53 h0.8 r90; PIN_NUMBER "1" at 194.83,124.57 h0.8 r90
R22: PIN_NUMBER "2" at 185.33,112.97 h0.8 r270; PIN_NUMBER "1" at 186.39,112.93 h0.8 r270
R23: PIN_NUMBER "1" at 188.39,112.93 h0.8 r270; PIN_NUMBER "2" at 187.33,112.97 h0.8 r270
R24: PIN_NUMBER "1" at 187.33,109.07 h0.8 r90; PIN_NUMBER "2" at 188.39,109.03 h0.8 r90
R25: PIN_NUMBER "1" at 185.79,103.97 h0.8 r180; PIN_NUMBER "2" at 185.83,105.03 h0.8 r180
R26: PIN_NUMBER "1" at 185.93,105.03 h0.8; PIN_NUMBER "2" at 185.89,103.97 h0.8
R27: PIN_NUMBER "1" at 186.93,105.03 h0.8; PIN_NUMBER "2" at 186.89,103.97 h0.8
R28: PIN_NUMBER "1" at 188.79,103.97 h0.8 r180; PIN_NUMBER "2" at 188.83,105.03 h0.8 r180
R29: PIN_NUMBER "2" at 191.39,103.97 h0.8; PIN_NUMBER "1" at 191.43,105.03 h0.8
R30: PIN_NUMBER "1" at 196.29,103.97 h0.8 r180; PIN_NUMBER "2" at 196.33,105.03 h0.8 r180
R31: PIN_NUMBER "1" at 197.29,103.97 h0.8 r180; PIN_NUMBER "2" at 197.33,105.03 h0.8 r180
R32: PIN_NUMBER "1" at 192.83,142.93 h0.8 r90; PIN_NUMBER "2" at 193.89,142.97 h0.8 r90
R33: PIN_NUMBER "1" at 192.83,143.93 h0.8 r90; PIN_NUMBER "2" at 193.89,143.97 h0.8 r90
R34: PIN_NUMBER "1" at 273.46,46.3 h0.8 r180; PIN_NUMBER "2" at 274.76,46.4 h0.8 r180; PIN_NUMBER "3" at 275.96,46.4 h0.8 r180; PIN_NUMBER "5" at 277.26,53.8 h0.8 r180; PIN_NUMBER "8" at 273.46,53.9 h0.8 r180; PIN_NUMBER "7" at 274.66,53.5 h0.8; PIN_NUMBER "4" at 277.26,46.4 h0.8 r180; PIN_NUMBER "6" at 275.96,53.8 h0.8 r180
R35: PIN_NUMBER "1" at 203.39,46.07 h0.8 r270; PIN_NUMBER "2" at 202.33,46.03 h0.8 r270
R36: PIN_NUMBER "1" at 203.39,45.07 h0.8 r270; PIN_NUMBER "2" at 202.33,45.03 h0.8 r270
R37: PIN_NUMBER "1" at 350.89,248.57 h0.8 r270; PIN_NUMBER "2" at 349.83,248.53 h0.8 r270
R38: PIN_NUMBER "1" at 289.89,248.57 h0.8 r270; PIN_NUMBER "2" at 288.83,248.53 h0.8 r270
R39: PIN_NUMBER "1" at 228.89,248.57 h0.8 r270; PIN_NUMBER "2" at 227.83,248.53 h0.8 r270
R40: PIN_NUMBER "2" at 379.83,231.22 h0.8; PIN_NUMBER "1" at 379.79,232.28 h0.8
R41: PIN_NUMBER "2" at 363.83,231.22 h0.8; PIN_NUMBER "1" at 363.79,232.28 h0.8
R42: PIN_NUMBER "2" at 302.83,231.22 h0.8; PIN_NUMBER "1" at 302.79,232.28 h0.8
R43: PIN_NUMBER "2" at 318.83,230.97 h0.8; PIN_NUMBER "1" at 318.79,232.03 h0.8
R44: PIN_NUMBER "2" at 256.89,232.03 h0.8 r180; PIN_NUMBER "1" at 256.93,230.97 h0.8 r180
R45: PIN_NUMBER "2" at 241.83,230.97 h0.8; PIN_NUMBER "1" at 241.79,232.03 h0.8
R46: PIN_NUMBER "1" at 345.43,214.97 h0.8 r180; PIN_NUMBER "2" at 345.39,216.03 h0.8 r180
R47: PIN_NUMBER "1" at 321.43,214.97 h0.8 r180; PIN_NUMBER "2" at 321.39,216.03 h0.8 r180
R48: PIN_NUMBER "1" at 297.43,214.97 h0.8 r180; PIN_NUMBER "2" at 297.39,216.03 h0.8 r180
R49: PIN_NUMBER "1" at 273.43,214.97 h0.8 r180; PIN_NUMBER "2" at 273.39,216.03 h0.8 r180
R50: PIN_NUMBER "1" at 249.43,214.97 h0.8 r180; PIN_NUMBER "2" at 249.39,216.03 h0.8 r180
R51: PIN_NUMBER "1" at 225.43,214.97 h0.8 r180; PIN_NUMBER "2" at 225.39,216.03 h0.8 r180
R52: PIN_NUMBER "2" at 345.39,207.03 h0.8 r180; PIN_NUMBER "1" at 345.43,205.97 h0.8 r180
R53: PIN_NUMBER "2" at 321.39,207.03 h0.8 r180; PIN_NUMBER "1" at 321.43,205.97 h0.8 r180
R54: PIN_NUMBER "2" at 297.39,207.03 h0.8 r180; PIN_NUMBER "1" at 297.43,205.97 h0.8 r180
R55: PIN_NUMBER "2" at 273.39,207.03 h0.8 r180; PIN_NUMBER "1" at 273.43,205.97 h0.8 r180
R56: PIN_NUMBER "2" at 249.39,207.03 h0.8 r180; PIN_NUMBER "1" at 249.43,205.97 h0.8 r180
R57: PIN_NUMBER "2" at 225.39,207.03 h0.8 r180; PIN_NUMBER "1" at 225.43,205.97 h0.8 r180
R58: PIN_NUMBER "1" at 369.43,190.97 h0.8 r180; PIN_NUMBER "2" at 369.39,192.03 h0.8 r180
R59: PIN_NUMBER "1" at 345.43,190.97 h0.8 r180; PIN_NUMBER "2" at 345.39,192.03 h0.8 r180
R60: PIN_NUMBER "1" at 321.43,190.97 h0.8 r180; PIN_NUMBER "2" at 321.39,192.03 h0.8 r180
R61: PIN_NUMBER "1" at 297.43,190.97 h0.8 r180; PIN_NUMBER "2" at 297.39,192.03 h0.8 r180
R62: PIN_NUMBER "1" at 273.43,190.97 h0.8 r180; PIN_NUMBER "2" at 273.39,192.03 h0.8 r180
R63: PIN_NUMBER "1" at 249.43,190.97 h0.8 r180; PIN_NUMBER "2" at 249.39,192.03 h0.8 r180
R64: PIN_NUMBER "1" at 225.43,190.97 h0.8 r180; PIN_NUMBER "2" at 225.39,192.03 h0.8 r180
R65: PIN_NUMBER "2" at 369.39,183.03 h0.8 r180; PIN_NUMBER "1" at 369.43,181.97 h0.8 r180
R66: PIN_NUMBER "2" at 345.39,183.03 h0.8 r180; PIN_NUMBER "1" at 345.43,181.97 h0.8 r180
R67: PIN_NUMBER "2" at 321.39,183.03 h0.8 r180; PIN_NUMBER "1" at 321.43,181.97 h0.8 r180
R68: PIN_NUMBER "2" at 297.39,183.03 h0.8 r180; PIN_NUMBER "1" at 297.43,181.97 h0.8 r180
R69: PIN_NUMBER "2" at 273.39,183.03 h0.8 r180; PIN_NUMBER "1" at 273.43,181.97 h0.8 r180
R70: PIN_NUMBER "2" at 249.39,183.03 h0.8 r180; PIN_NUMBER "1" at 249.43,181.97 h0.8 r180
R71: PIN_NUMBER "2" at 225.39,183.03 h0.8 r180; PIN_NUMBER "1" at 225.43,181.97 h0.8 r180
R72: PIN_NUMBER "1" at 369.43,166.97 h0.8 r180; PIN_NUMBER "2" at 369.39,168.03 h0.8 r180
R73: PIN_NUMBER "1" at 345.43,166.97 h0.8 r180; PIN_NUMBER "2" at 345.39,168.03 h0.8 r180
R74: PIN_NUMBER "1" at 321.43,166.97 h0.8 r180; PIN_NUMBER "2" at 321.39,168.03 h0.8 r180
R75: PIN_NUMBER "1" at 297.43,166.97 h0.8 r180; PIN_NUMBER "2" at 297.39,168.03 h0.8 r180
R76: PIN_NUMBER "1" at 273.43,166.97 h0.8 r180; PIN_NUMBER "2" at 273.39,168.03 h0.8 r180
R77: PIN_NUMBER "1" at 249.43,166.97 h0.8 r180; PIN_NUMBER "2" at 249.39,168.03 h0.8 r180
R78: PIN_NUMBER "1" at 225.43,166.97 h0.8 r180; PIN_NUMBER "2" at 225.39,168.03 h0.8 r180
R79: PIN_NUMBER "2" at 369.39,159.03 h0.8 r180; PIN_NUMBER "1" at 369.43,157.97 h0.8 r180
R80: PIN_NUMBER "2" at 345.39,159.03 h0.8 r180; PIN_NUMBER "1" at 345.43,157.97 h0.8 r180
R81: PIN_NUMBER "2" at 321.39,159.03 h0.8 r180; PIN_NUMBER "1" at 321.43,157.97 h0.8 r180
R82: PIN_NUMBER "2" at 297.39,159.03 h0.8 r180; PIN_NUMBER "1" at 297.43,157.97 h0.8 r180
R83: PIN_NUMBER "2" at 273.39,159.03 h0.8 r180; PIN_NUMBER "1" at 273.43,157.97 h0.8 r180
R84: PIN_NUMBER "2" at 249.39,159.03 h0.8 r180; PIN_NUMBER "1" at 249.43,157.97 h0.8 r180
R85: PIN_NUMBER "2" at 225.39,159.03 h0.8 r180; PIN_NUMBER "1" at 225.43,157.97 h0.8 r180
R86: PIN_NUMBER "2" at 182.33,150.53 h0.8 r270; PIN_NUMBER "1" at 183.39,150.57 h0.8 r270
R87: PIN_NUMBER "2" at 182.33,147.53 h0.8 r270; PIN_NUMBER "1" at 183.39,147.57 h0.8 r270
R88: PIN_NUMBER "1" at 183.39,146.57 h0.8 r270; PIN_NUMBER "2" at 182.33,146.53 h0.8 r270
R89: PIN_NUMBER "2" at 182.33,144.53 h0.8 r270; PIN_NUMBER "1" at 183.39,144.57 h0.8 r270
R90: PIN_NUMBER "1" at 369.43,142.97 h0.8 r180; PIN_NUMBER "2" at 369.39,144.03 h0.8 r180
R91: PIN_NUMBER "1" at 345.43,142.97 h0.8 r180; PIN_NUMBER "2" at 345.39,144.03 h0.8 r180
R92: PIN_NUMBER "1" at 321.43,142.97 h0.8 r180; PIN_NUMBER "2" at 321.39,144.03 h0.8 r180
R93: PIN_NUMBER "1" at 297.43,142.97 h0.8 r180; PIN_NUMBER "2" at 297.39,144.03 h0.8 r180
R94: PIN_NUMBER "1" at 273.43,142.97 h0.8 r180; PIN_NUMBER "2" at 273.39,144.03 h0.8 r180
R95: PIN_NUMBER "1" at 249.43,142.97 h0.8 r180; PIN_NUMBER "2" at 249.39,144.03 h0.8 r180
R96: PIN_NUMBER "1" at 225.43,142.97 h0.8 r180; PIN_NUMBER "2" at 225.39,144.03 h0.8 r180
R97: PIN_NUMBER "2" at 182.33,141.53 h0.8 r270; PIN_NUMBER "1" at 183.39,141.57 h0.8 r270
R98: PIN_NUMBER "2" at 182.33,138.53 h0.8 r270; PIN_NUMBER "1" at 183.39,138.57 h0.8 r270
R99: PIN_NUMBER "1" at 183.39,137.07 h0.8 r270; PIN_NUMBER "2" at 182.33,137.03 h0.8 r270
R100: PIN_NUMBER "2" at 182.33,135.53 h0.8 r270; PIN_NUMBER "1" at 183.39,135.57 h0.8 r270
R101: PIN_NUMBER "2" at 369.39,135.03 h0.8 r180; PIN_NUMBER "1" at 369.43,133.97 h0.8 r180
R102: PIN_NUMBER "2" at 321.39,135.03 h0.8 r180; PIN_NUMBER "1" at 321.43,133.97 h0.8 r180
R103: PIN_NUMBER "2" at 249.39,135.03 h0.8 r180; PIN_NUMBER "1" at 249.43,133.97 h0.8 r180
R104: PIN_NUMBER "2" at 345.39,133.53 h0.8 r180; PIN_NUMBER "1" at 345.43,132.47 h0.8 r180
R105: PIN_NUMBER "2" at 297.39,133.53 h0.8 r180; PIN_NUMBER "1" at 297.43,132.47 h0.8 r180
R106: PIN_NUMBER "2" at 273.39,133.53 h0.8 r180; PIN_NUMBER "1" at 273.43,132.47 h0.8 r180
R107: PIN_NUMBER "2" at 225.39,133.53 h0.8 r180; PIN_NUMBER "1" at 225.43,132.47 h0.8 r180
R108: PIN_NUMBER "2" at 182.33,132.53 h0.8 r270; PIN_NUMBER "1" at 183.39,132.57 h0.8 r270
R109: PIN_NUMBER "2" at 188.89,132.97 h0.8 r90; PIN_NUMBER "1" at 187.83,132.93 h0.8 r90
R110: PIN_NUMBER "2" at 188.89,131.97 h0.8 r90; PIN_NUMBER "1" at 187.83,131.93 h0.8 r90
R111: PIN_NUMBER "2" at 188.89,130.97 h0.8 r90; PIN_NUMBER "1" at 187.83,130.93 h0.8 r90
R112: PIN_NUMBER "2" at 182.33,129.53 h0.8 r270; PIN_NUMBER "1" at 183.39,129.57 h0.8 r270
R113: PIN_NUMBER "2" at 188.89,129.47 h0.8 r90; PIN_NUMBER "1" at 187.83,129.43 h0.8 r90
R114: PIN_NUMBER "2" at 188.89,128.47 h0.8 r90; PIN_NUMBER "1" at 187.83,128.43 h0.8 r90
R115: PIN_NUMBER "2" at 189.33,125.47 h0.8; PIN_NUMBER "1" at 189.29,126.53 h0.8
R116: PIN_NUMBER "1" at 369.43,118.97 h0.8 r180; PIN_NUMBER "2" at 369.39,120.03 h0.8 r180
R117: PIN_NUMBER "1" at 345.43,118.97 h0.8 r180; PIN_NUMBER "2" at 345.39,120.03 h0.8 r180
R118: PIN_NUMBER "1" at 321.43,118.97 h0.8 r180; PIN_NUMBER "2" at 321.39,120.03 h0.8 r180
R119: PIN_NUMBER "1" at 297.43,118.97 h0.8 r180; PIN_NUMBER "2" at 297.39,120.03 h0.8 r180
R120: PIN_NUMBER "1" at 273.43,118.97 h0.8 r180; PIN_NUMBER "2" at 273.39,120.03 h0.8 r180
R121: PIN_NUMBER "1" at 249.43,118.97 h0.8 r180; PIN_NUMBER "2" at 249.39,120.03 h0.8 r180
R122: PIN_NUMBER "1" at 225.43,118.97 h0.8 r180; PIN_NUMBER "2" at 225.39,120.03 h0.8 r180
R123: PIN_NUMBER "2" at 369.39,111.03 h0.8 r180; PIN_NUMBER "1" at 369.43,109.97 h0.8 r180
R124: PIN_NUMBER "2" at 345.39,111.03 h0.8 r180; PIN_NUMBER "1" at 345.43,109.97 h0.8 r180
R125: PIN_NUMBER "2" at 321.39,111.03 h0.8 r180; PIN_NUMBER "1" at 321.43,109.97 h0.8 r180
R126: PIN_NUMBER "2" at 297.39,111.03 h0.8 r180; PIN_NUMBER "1" at 297.43,109.97 h0.8 r180
R127: PIN_NUMBER "2" at 273.39,111.03 h0.8 r180; PIN_NUMBER "1" at 273.43,109.97 h0.8 r180
R128: PIN_NUMBER "2" at 249.39,111.03 h0.8 r180; PIN_NUMBER "1" at 249.43,109.97 h0.8 r180
R129: PIN_NUMBER "2" at 225.39,111.03 h0.8 r180; PIN_NUMBER "1" at 225.43,109.97 h0.8 r180
R130: PIN_NUMBER "1" at 181.33,105.93 h0.8 r90; PIN_NUMBER "2" at 182.39,105.97 h0.8 r90
R131: PIN_NUMBER "1" at 198.29,105.03 h0.8; PIN_NUMBER "2" at 198.33,103.97 h0.8
R132: PIN_NUMBER "1" at 186.89,96.07 h0.8 r270; PIN_NUMBER "2" at 185.83,96.03 h0.8 r270
R133: PIN_NUMBER "1" at 369.43,94.97 h0.8 r180; PIN_NUMBER "2" at 369.39,96.03 h0.8 r180
R134: PIN_NUMBER "1" at 345.43,94.97 h0.8 r180; PIN_NUMBER "2" at 345.39,96.03 h0.8 r180
R135: PIN_NUMBER "1" at 321.43,94.97 h0.8 r180; PIN_NUMBER "2" at 321.39,96.03 h0.8 r180
R136: PIN_NUMBER "1" at 297.43,94.97 h0.8 r180; PIN_NUMBER "2" at 297.39,96.03 h0.8 r180
R137: PIN_NUMBER "1" at 273.43,94.97 h0.8 r180; PIN_NUMBER "2" at 273.39,96.03 h0.8 r180
R138: PIN_NUMBER "1" at 249.43,94.97 h0.8 r180; PIN_NUMBER "2" at 249.39,96.03 h0.8 r180
R139: PIN_NUMBER "1" at 225.43,94.97 h0.8 r180; PIN_NUMBER "2" at 225.39,96.03 h0.8 r180
R140: PIN_NUMBER "2" at 193.33,92.97 h0.8; PIN_NUMBER "1" at 193.29,94.03 h0.8
R141: PIN_NUMBER "1" at 183.33,93.93 h0.8 r90; PIN_NUMBER "2" at 184.39,93.97 h0.8 r90
R142: PIN_NUMBER "1" at 188.68,91.97 h0.8 r180; PIN_NUMBER "2" at 188.64,93.03 h0.8 r180
R143: PIN_NUMBER "1" at 186.29,93.03 h0.8; PIN_NUMBER "2" at 186.33,91.97 h0.8
R144: PIN_NUMBER "1" at 183.33,92.93 h0.8 r90; PIN_NUMBER "2" at 184.39,92.97 h0.8 r90
R145: PIN_NUMBER "2" at 192.39,92.03 h0.8 r180; PIN_NUMBER "1" at 192.43,90.97 h0.8 r180
R146: PIN_NUMBER "2" at 199.89,91.03 h0.8 r180; PIN_NUMBER "1" at 199.93,89.97 h0.8 r180
R147: PIN_NUMBER "2" at 193.33,88.97 h0.8; PIN_NUMBER "1" at 193.29,90.03 h0.8
R148: PIN_NUMBER "2" at 192.39,88.03 h0.8 r180; PIN_NUMBER "1" at 192.43,86.97 h0.8 r180
R149: PIN_NUMBER "2" at 369.39,87.03 h0.8 r180; PIN_NUMBER "1" at 369.43,85.97 h0.8 r180
R150: PIN_NUMBER "2" at 345.39,87.03 h0.8 r180; PIN_NUMBER "1" at 345.43,85.97 h0.8 r180
R151: PIN_NUMBER "2" at 321.39,87.03 h0.8 r180; PIN_NUMBER "1" at 321.43,85.97 h0.8 r180
R152: PIN_NUMBER "2" at 297.39,87.03 h0.8 r180; PIN_NUMBER "1" at 297.43,85.97 h0.8 r180
R153: PIN_NUMBER "2" at 273.39,87.03 h0.8 r180; PIN_NUMBER "1" at 273.43,85.97 h0.8 r180
R154: PIN_NUMBER "2" at 249.39,87.03 h0.8 r180; PIN_NUMBER "1" at 249.43,85.97 h0.8 r180